# Altium PCB SimpleFOC.PcbDoc
Units mil, origin at the board's own origin, x right, y up, seen from the top; angles counter-clockwise.
Board outline 2090 x 2560 mil, 2 copper layers (Top Layer, Bottom Layer); 46 components, 38 nets, 196 pads, 272 vias.
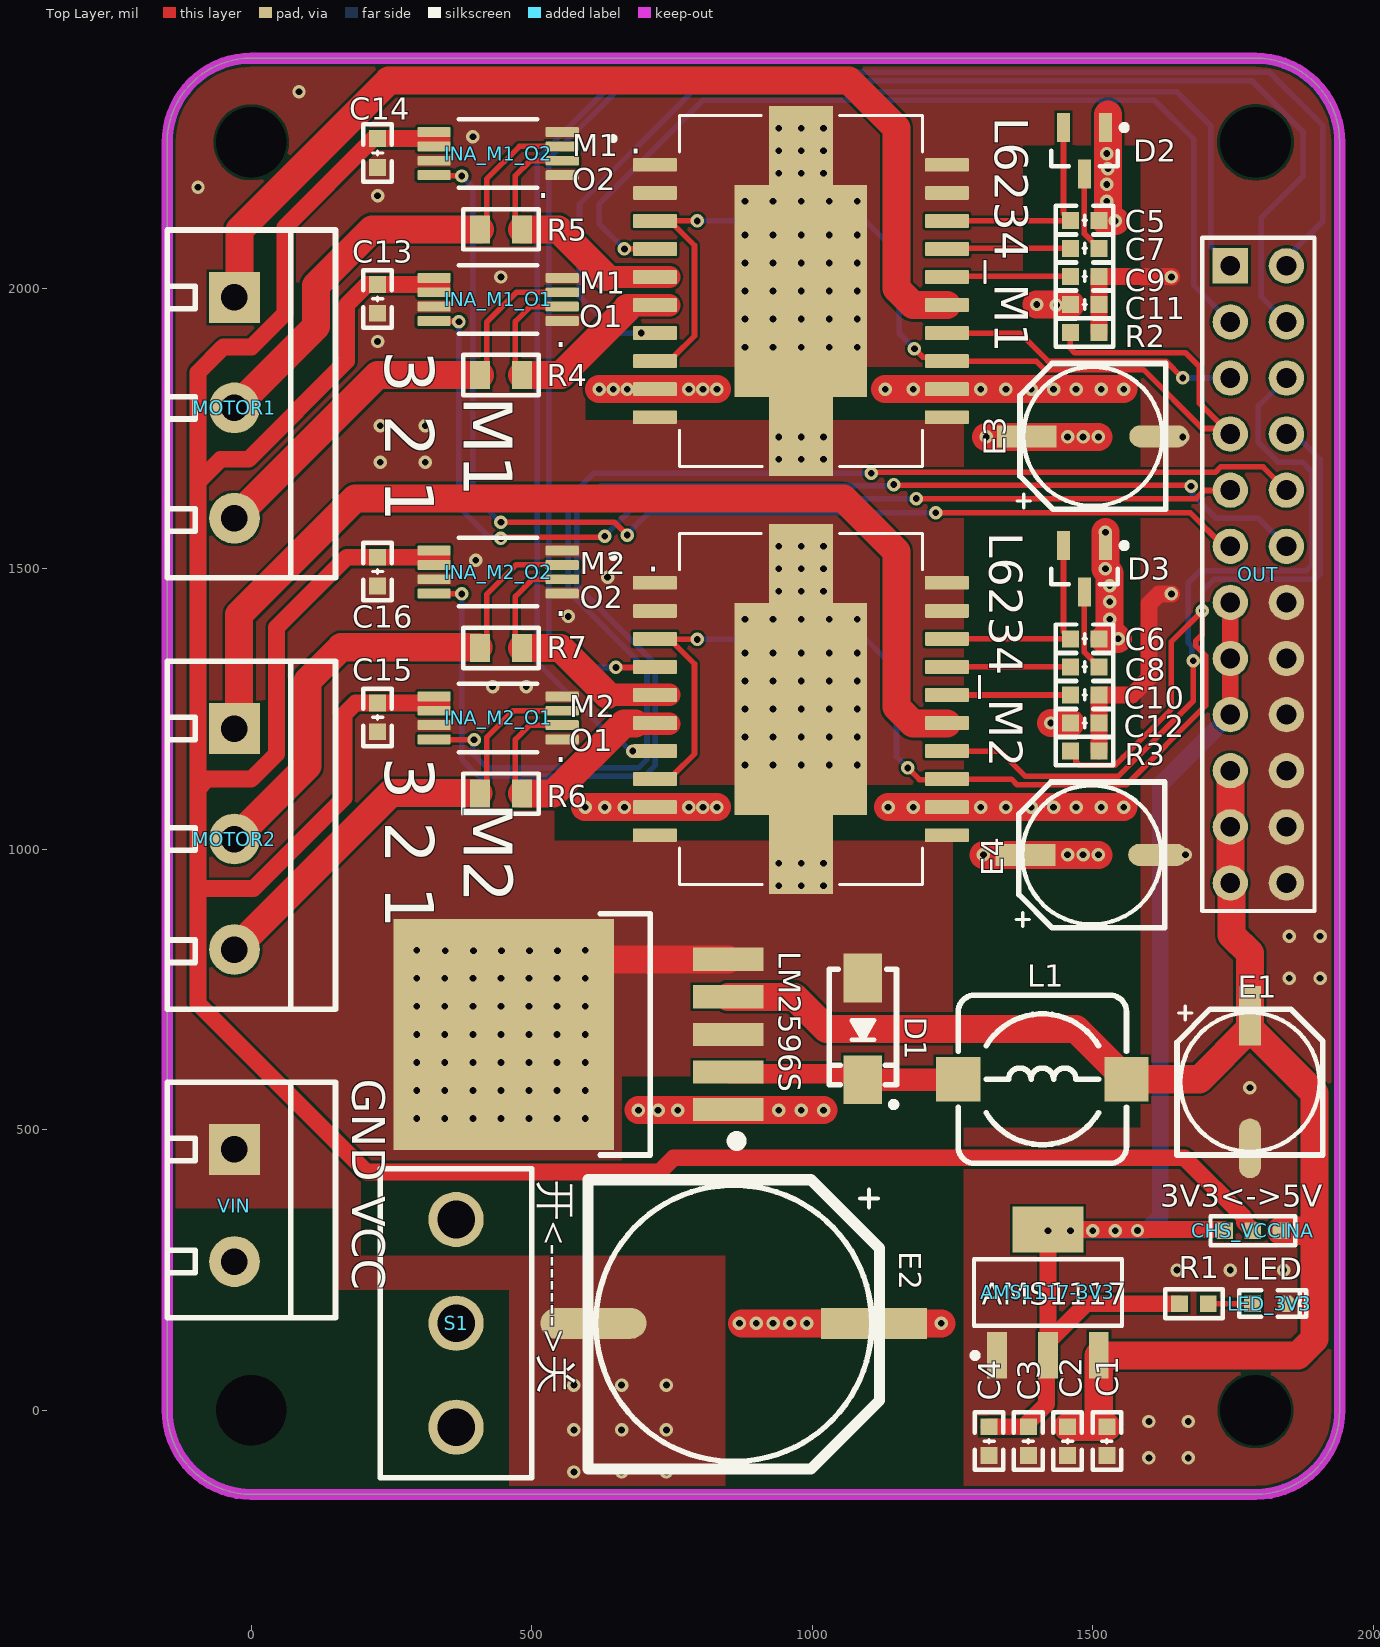
[diagram p0: Top Layer view]
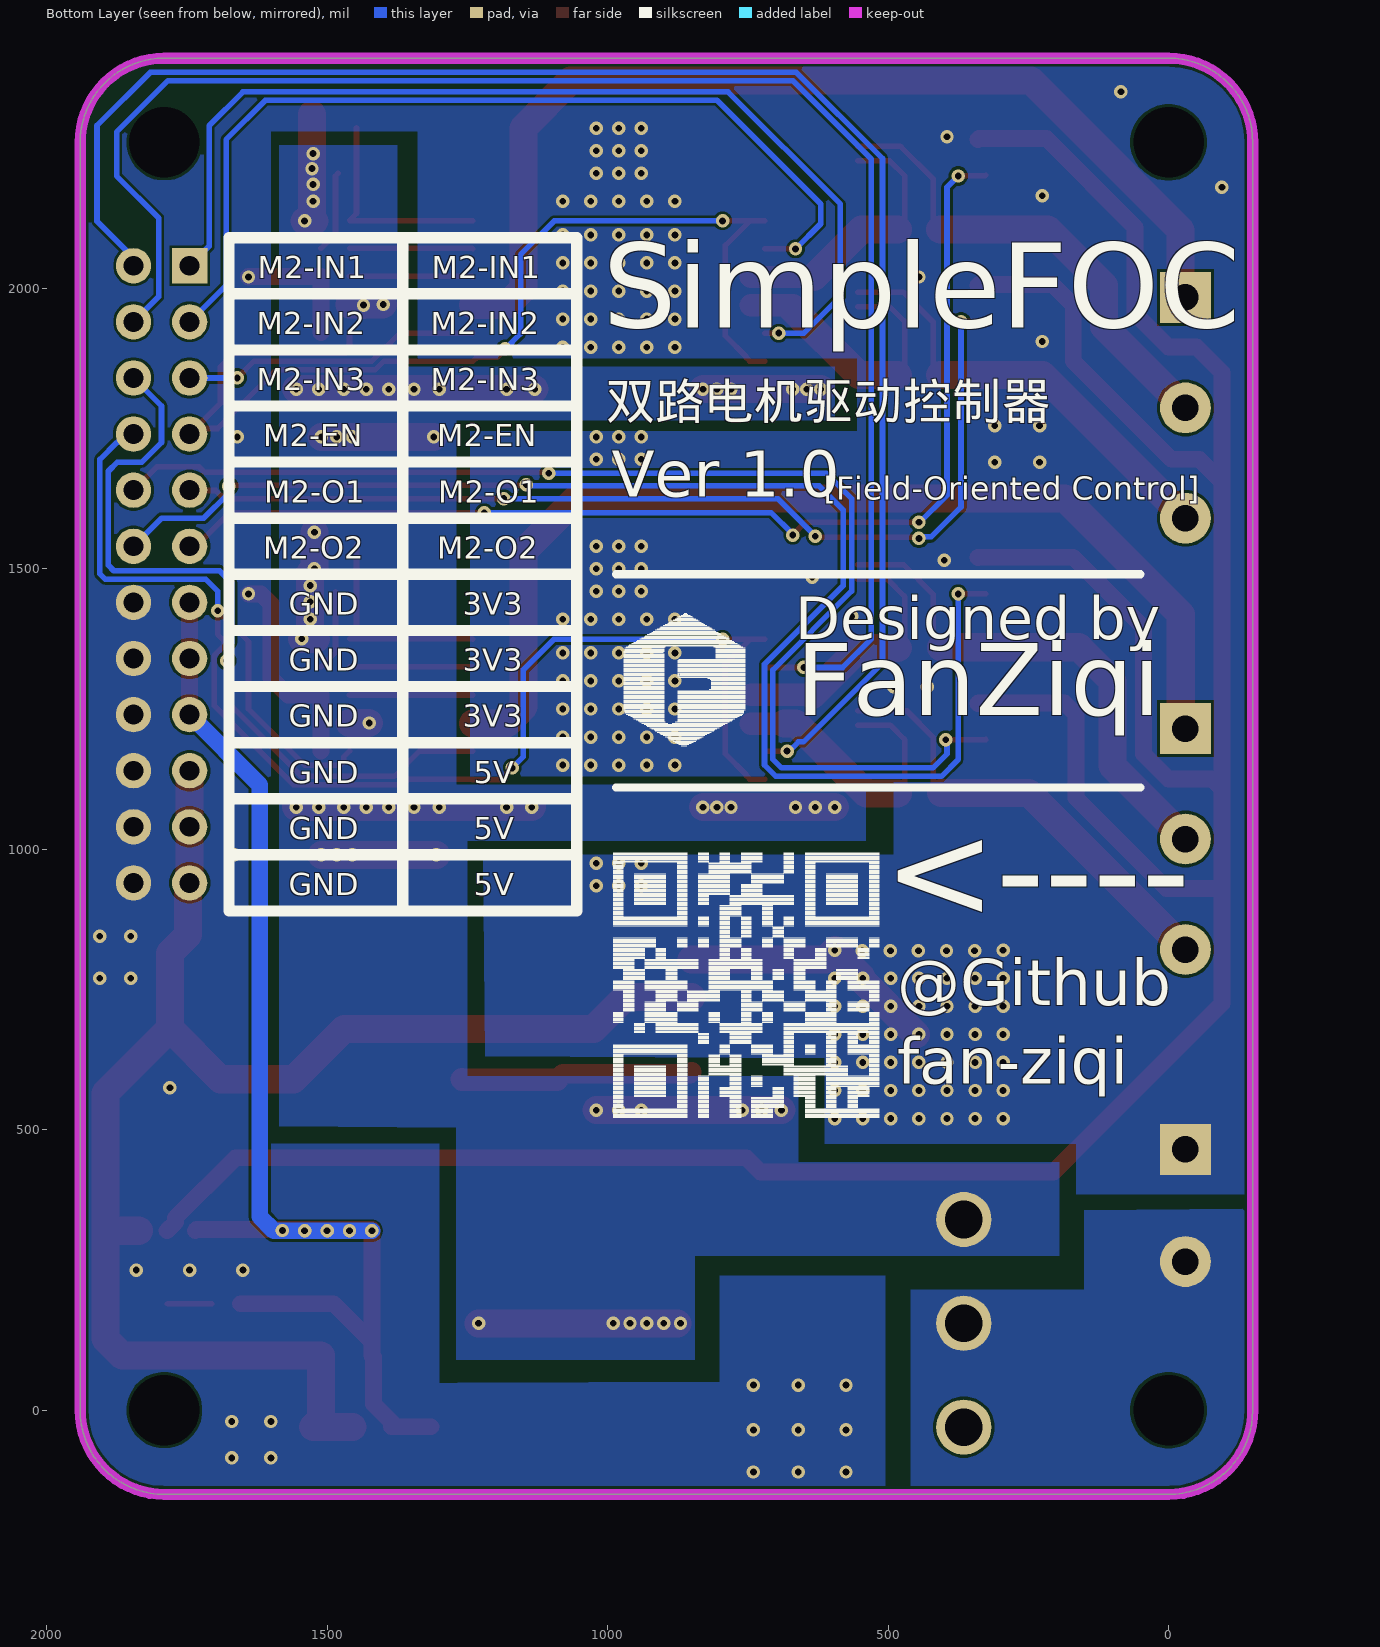
[diagram p1: Bottom Layer view, seen from below]

## Layer stack, top to bottom
Top Solder: solder mask 0.4, Solder Resist, Dk 3.5
Top Layer: signal copper 1.4
Dielectric 1: dielectric 12.6, FR-4, Dk 4.8
Bottom Layer: signal copper 1.4
Bottom Solder: solder mask 0.4, Solder Resist, Dk 3.5

## Board outline
-150,0 -150,2260 cw(c0,2260) 0,2410 1790,2410 cw(c1790,2260) 1940,2260 1940,0 cw(c1790,0) 1790,-150 0,-150 cw(c0,0)

## Design rules (kind name [scope] priority, off if disabled: settings)
Clearance [All] p1: gap=5 ignorepadtopadclearanceinfootprint=FALSE except(0: Arc-Text Track-Text SMDPad-Text THPad-Text Via-Text Fill-Text Poly-Text Region-Text Text-Text Text-Hole)
ComponentClearance [All] p1: gap=0 collisioncheckmode=3 verticalgap=0 showdistances=FALSE
DiffPairsRouting [InDifferentialPairClass('USB')] p1: maxlimit=7 minlimit=5 mostfreqgap=6 toplayer_minwidth=4 toplayer_maxwidth=9 toplayer_prefwidth=4 bottomlayer_minwidth=4 bottomlayer_maxwidth=9 bottomlayer_prefwidth=4 maxuncoupledlength=500
FanoutControl Fanout_BGA [All] p1: bgadir=Out bgaviamode=Centered fanoutstyle=Auto fanoutdirection=Alternating viagrid=1 // Fanout_BGA (Default Rule)
HoleSize [All] p1: absolutevalues=TRUE maxlimit=235 minlimit=8 maxpercent=80.000 minpercent=20.000
MatchedLengths DiffPair_MatchedLengths [InDifferentialPair ('USB')] p1: tolerance=1000 checknetsindiffpair=FALSE checkdiffpairvsdiffpair=TRUE checkxsignals=TRUE checkothers=TRUE
MinimumSolderMaskSliver [All] p1 off: minsoldermaskwidth=2
NetsToIgnore [InNet('GND')] p1:
PlaneClearance [All] p1: clearance=8
PlaneConnect [All] p1: planeconnectstyle=Direct reliefexpansion=20 reliefentries=4 reliefconductorwidth=10 reliefairgap=10
PolygonConnect [All] p1: connectstyle=Direct reliefconductorwidth=10 reliefentries=4 polygonreliefangle="90 Angle" airgapwidth=10
RoutingVias [All] p1: holewidth=10 width=16 viastyle="Through Hole" minholewidth=6 minwidth=12 maxholewidth=28 maxwidth=50
SMDNeckDown [All] p1: percent=10000.000
SilkToSilkClearance [All] p1: silktosilkclearance=0
SilkToSolderMaskClearance [IsPad] p1: minsilkscreentomaskgap=0 clearancetoexposedcopper=TRUE
SolderMaskExpansion [All] p1: expansion=3 istentingtop=FALSE
Width MOTOR [InNetClass('MOTOR')] p1: maxlimit=100 minlimit=10 preferedwidth=100
Width VCC5V [InNetClass('VCC5V')] p2: maxlimit=50 minlimit=50 preferedwidth=50
Width VCC3V3 [InNetClass('VCC3V3')] p3: maxlimit=30 minlimit=30 preferedwidth=30
Width VCC12V [InNetClass('VCC12V')] p4: maxlimit=100 minlimit=10 preferedwidth=30
Width [InNetClass('BuXian')] p5: maxlimit=50 minlimit=10 preferedwidth=10
Width GND [InNet('GND')] p6: maxlimit=100 minlimit=10 preferedwidth=30
21 further rules are at their usual default settings.

## Classes and differential pairs
net class MOTOR: M1_OUT1 M1_OUT1_P M1_OUT2 M1_OUT2_P M1_OUT3 M2_OUT1 M2_OUT1_P M2_OUT2 M2_OUT2_P M2_OUT3
net class VCC12V: NetS1_2 VCCIN
net class VCC5V: VCC5V
net class VCC3V3: VCC3V3 VCCINA
net class BuXian: M1_EN M1_IN1 M1_IN2 M1_IN3 M1_O1 M1_O2 M1_OUT1 M1_OUT1_P M1_OUT2 M1_OUT2_P M1_OUT3 M2_EN M2_IN1 M2_IN2 M2_IN3 M2_O1 M2_O2 M2_OUT1 M2_OUT1_P M2_OUT2 M2_OUT2_P M2_OUT3 NetC5_1 NetC6_1 NetC7_1 NetC7_2 NetC8_1 NetC8_2 NetC9_2 NetC10_2 NetD1_2 NetLED_3V3_1 NetS1_2

## Components (designator, comment, footprint, x,y, rotation, side; value= is the part's Value field where it differs from the comment)
AMS1117-3V3 "AMS1117-3V3" SOT223_L 1420,210 r90 top
C1 "22uf/50V" C0603_L 1525,-55 r90 top
C2 "0.1uf/50V" C0603_L 1455,-55 r90 top
C3 "0.1uf/50V" C0603_L 1385,-55 r90 top
C4 "22uf/50V" C0603_L 1315,-55 r90 top
C5 "220nf/50V" C0603_L 1485.47,2120.98 r0 top
C6 "220nf/50V" C0603_L 1485.47,1375 r0 top
C7 "10nf/50V" C0603_L 1485.47,2070.98 r0 top
C8 "10nf/50V" C0603_L 1485.47,1325 r0 top
C9 "1uf/50V" C0603_L 1485.47,2020.98 r180 top
C10 "1uf/50V" C0603_L 1485.47,1275 r180 top
C11 "100nf/50V" C0603_L 1485.47,1970.98 r180 top
C12 "100nf/50V" C0603_L 1485.47,1225 r180 top
C13 "0.1uf/50V" C0603_L 225,1980.98 r90 top
C14 "0.1uf/50V" C0603_L 225,2240.98 r90 top
C15 "0.1uf/50V" C0603_L 225,1235 r90 top
C16 "0.1uf/50V" C0603_L 225,1495 r90 top
CHS_VCCINA "跳线" 0603 1785,320 r180 top
D1 "SS54" SMA 1090,680 r270 top
D2 "BAT54C" SOT23-3N 1485,2245 r270 top
D3 "BAT54C" SOT23-3N 1485,1500 r270 top
E1 "220uf/16V" "CE D(6.3*7.7)" 1780,585 r90 top
E2 "680uf/35V" "CE G(12.5*13.5)" 860,155 r0 top
E3 "100uf/35V" "CE D(6.3*7.7)" 1500,1735.98 r180 top
E4 "100uf/35V" "CE D(6.3*7.7)" 1498.11,990 r180 top
INA_M1_O1 "INA240A2PWR" INA240A2PWR 440,1980 r180 top
INA_M1_O2 "INA240A2PWR" INA240A2PWR 440,2240 r180 top
INA_M2_O1 "INA240A2PWR" INA240A2PWR 440,1234.02 r180 top
INA_M2_O2 "INA240A2PWR" INA240A2PWR 440,1494.02 r180 top
L1 "33uH" CDRH74 1410,590 r0 top
L6234_M1 "L6234PD013TR" SOIC127P1420X360-21N 979.76,1995 r270 top
L6234_M2 "L6234PD013TR" SOIC127P1420X360-21N 979.76,1250 r270 top
LED_3V3 "红色" LED0603_R 1815,190 r0 top
LM2596S "LM2596S" TO263-5A 860,670 r90 top
MOTOR1 "HDR-1X3" KF301-5.0-3P -30,1786.85 r270 top
MOTOR2 "HDR-1X3" KF301-5.0-3P -30,1018.15 r270 top
OUT "Header 2X11" HDR2.54-LI-2x12P 1795,1490 r270 top
R1 "1K" R0603_L 1680,190 r0 top
R2 "4.7K" R0603_L 1485.48,1920.99 r0 top
R3 "4.7K" R0603_L 1485.48,1175 r0 top
R4 "0.01R" R0805_L 445,1845 r180 top
R5 "0.01R" R0805_L 445,2105 r180 top
R6 "0.01R" R0805_L 445,1099.02 r180 top
R7 "0.01R" R0805_L 445,1359.02 r180 top
S1 "SS-12F23" SS-12D10 365,155 r90 top
VIN "HDR-1X2" KF301-5.0-2P -30,265 r270 top

## Footprints (in the part's own frame and the unit in brackets; to place one, negate y for a bottom-side part, rotate by r counter-clockwise, add the part's x,y. Pads: shape width x height; smd on the part's side, far side on the other; paste and mask are expansions set on the pad)
0603 [mil] "0603测试点"
  rect 30x30 smd: 1(0,0) 2(-50,0) 3(50,0)
  silkscreen extent -76,-26 75,26
C0603_L [mil] "无极性贴片电容"
  rect 30x30 smd: 1(-25.59,0) 2(25.59,0)
  silkscreen extent -51,-26 51,26, body extent -31,-16 32,16, height 33
CDRH74 [mm] "7.3*7.3*4.5mm（长宽高）"
  rect 2x2 smd: 1(-3.81,0) 2(3.81,0)
  silkscreen extent -3.81,-3.81 3.81,3.81, body extent -3.65,-3.65 3.65,3.65, height 4.52
"CE D(6.3*7.7)" [mm] "贴片电解电容，直径6.3mm，高7.7mm"
  rect 2.7x1 smd: 1(3,0)
  oval 2.7x1 smd: 2(-3,0)
  silkscreen extent -3.3,-3.3 3.43,3.3, body extent -3.5,-3.3 3.5,3.3, height 7.75
"CE G(12.5*13.5)" [mm] "贴片电解电容，直径12.5mm，高13.5mm"
  rect 4.8x1.4 smd: 1(6.35,0)
  oval 4.8x1.4 smd: 2(-6.35,0)
  silkscreen extent -6.6,-6.6 6.6,6.5, body extent -7.15,-6.5 7.15,6.5, height 13.58
HDR2.54-LI-2x12P [mm] "双排排针，12x2脚"
  rect 1.6x1.6 hole 0.9: 1(-13.97,-1.27)
  round 1.6 hole 0.9: 2(-13.97,1.27) 3(-11.43,-1.27) 4(-11.43,1.27) 5(-8.89,-1.27) 6(-8.89,1.27) 7(-6.35,-1.27) 8(-6.35,1.27) 9(-3.81,-1.27) 10(-3.81,1.27) 11(-1.27,-1.27) 12(-1.27,1.27) 13(1.27,-1.27) 14(1.27,1.27) 15(3.81,-1.27) 16(3.81,1.27) 17(6.35,-1.27) 18(6.35,1.27) 19(8.89,-1.27) 20(8.89,1.27) 21(11.43,-1.27) 22(11.43,1.27) 23(13.97,-1.27) 24(13.97,1.27)
  silkscreen extent -15.24,-2.54 15.24,2.54, body extent -15.24,-2.54 15.24,2.54, height 8.5
INA240A2PWR [mm]
  rrect22% 1.5x0.45 smd paste+0 mask+0: 1(-2.9,0.975) 2(-2.9,0.325) 3(-2.9,-0.325) 4(-2.9,-0.975) 5(2.9,-0.975) 6(2.9,-0.325) 7(2.9,0.325) 8(2.9,0.975)
  silkscreen extent -1.78,-1.55 1.78,1.55, body extent -3.75,-1.8 3.75,1.8, height 0.25
KF301-5.0-2P [mm] "可拼接端子/6A"
  rect 2.3x2.3 hole 1.2: 1(-5.08,0)
  round 2.3 hole 1.2: 2(0,0)
  silkscreen extent -8.13,-3.05 2.54,4.57, body extent -7.95,-3 2.55,4.6, height 3.29
KF301-5.0-3P [mm] "可拼接端子/6A"
  rect 2.3x2.3 hole 1.2: 1(-5,0)
  round 2.3 hole 1.2: 2(0,0) 3(5,0)
  silkscreen extent -8.05,-3.05 7.7,4.57, body extent -7.95,-3 7.55,4.6, height 3.29
LED0603_R [mil] "红色0603LED"
  rect 30x30 smd: 1(-30.59,0)
  oct 30x30 smd: 2(30.59,0)
  silkscreen extent -54,-24 65,24, body extent -32,-16 31,16, height 24
R0603_L [mil] "1/10W贴片电阻"
  rect 30x30 smd: 1(-25.59,0) 2(25.59,0)
  silkscreen extent -51,-26 51,26, body extent -31,-16 32,16, height 16
R0805_L [mil] "1/8W贴片电阻"
  rect 35x50 smd: 1(-37.4,0) 2(37.4,0)
  silkscreen extent -67,-36 67,36, body extent -39,-25 39,25, height 20
SMA [mm] "4.5x2.6*2.2mm（长宽高，不包括引脚）"
  rect 2.2x1.75 smd: 1(-2.3,0) 2(2.3,0)
  silkscreen extent -2.7,-1.52 3.56,1.52, body extent -2.55,-1.3 2.55,1.3, height 2.15
SOIC127P1420X360-21N [mm]
  rrect16% 0.63x1.99 smd: 1(-5.715,-6.61) 2(-4.445,-6.61) 3(-3.175,-6.61) 4(-1.905,-6.61) 5(-0.635,-6.61) 6(0.635,-6.61) 7(1.905,-6.61) 8(3.175,-6.61) 9(4.445,-6.61) 10(5.715,-6.61) 11(5.715,6.61) 12(4.445,6.61) 13(3.175,6.61) 14(1.905,6.61) 15(0.635,6.61) 16(-0.635,6.61) 17(-1.905,6.61) 18(-3.175,6.61) 19(-4.445,6.61) 20(-5.715,6.61)
  rect 4x2.9 smd paste-3: 21(-6.375,0) 21(6.375,0)
  rect 9.6x6 smd paste-6: 21(0,0)
  silkscreen extent -7.95,-8.6 7.95,5.5, body extent -8.26,-7.73 7.8,8.27, height 3.5
SOT23-3N [mm] "SOT23, 3-Leads, Body 2.9x1.3mm, Pitch 0.95mm, Lead Span 2.4mm, IPC Medium Density"
  rect 1.3x0.6 smd: 1(-1.05,0.95) 2(-1.05,-0.95) 3(1.05,0)
  silkscreen extent -1.17,-1.5 0.7,1.93, body extent -1.2,-1.5 1.2,1.5, height 1.05
SOT223_L [mm] "SOT223, 4-Leads, Body 6.5x3.5mm, Pitch 2.3mm, Lead Span 7mm, IPC High Density"
  rect 2.1x0.9 smd: 1(-2.85,2.3) 2(-2.85,0) 3(-2.85,-2.3)
  rect 2.1x3.2 smd: 4(2.85,0)
  silkscreen extent -2.97,-3.35 1.5,3.42, body extent -1.85,-3.35 1.85,3.35, height 1.7
SS-12D10 [mm] "脚距3mm      淘宝ID:黄晶宝石"
  round 2.5 hole 1.7: 1(-4.7,0) 2(0,0) 3(4.7,0)
  silkscreen extent -7,-3.43 7,3.43, body extent -7,-3.1 7,3.1, height 9.65
TO263-5A [mm] "263，5脚晶体管"
  rect 1.05x3.2 smd: 1(-3.4,0.254) 2(-1.7,0.254) 3(0,0.254) 4(1.7,0.254) 5(3.4,0.254)
  rect 10.45x10 smd: 6(0,10.414)
  silkscreen extent -5.46,-0.33 5.46,6.04, body extent -5,0.24 5,13.57, height 4.5

## Part data
AMS1117-3V3: library part AMS1117, "三端稳压芯片", BOM名称=稳压芯片, 封装库来自淘宝卖家 ID：黄晶宝石=其他店铺购入均为盗版，请立即申请退款，本店现金奖励5~20元, 联系卖家 免费查找封装=唯一出售店铺网址https://shop463601444.taobao.com
C1 C2 C3 C4 C5 C6 C7 C8 C9 C10 C11 C12 C13 C14 C15 C16: library part C, "贴片电容", BOM名称=无极性贴片电容, 封装库来自淘宝卖家ID：黄晶宝石=其他店铺购入均为盗版假冒封装库，请立即申请退款, 联系卖家，免费查找封装=唯一出售店铺网址https://shop463601444.taobao.com
D1: library part SS14, "肖特基二极管(5A/40V)", BOM名称=肖特基二极管, 属性=40V/1A, 联系卖家，免费查找封装=唯一出售店铺网址https://shop463601444.taobao.com
D2 D3: library part LBAT54SLT1G, "两路肖特基二极管", 联系卖家，免费查找封装=唯一出售店铺网址https://shop463601444.taobao.com
E1 E2 E3 E4: library part CE_SMD, "贴片电解电容", BOM名称=贴片电解电容, 封装库来自淘宝卖家ID：黄晶宝石=其他店铺购入均为盗版假冒封装库，请立即申请退款, 联系卖家，免费查找封装=唯一出售店铺网址https://shop463601444.taobao.com
INA_M1_O1 INA_M1_O2 INA_M2_O1 INA_M2_O2: "IC AMP CURRENT SENSE 8-TSSOP", Ambient Temperature Range High=+125°C, Ambient Temperature Range Low=-40°C, Input Bias Current=90uA, Input Offset Voltage=0.005mV, Manufacturer="Texas Instruments", Max Junction Temp=+150°C, Max Supply Voltage=5.5V, Min Supply Voltage=2.7V, Nominal Supply Current=1.8mA, Package=PW0008A, Temperature="-40°C to +125°C", Voltage Gain=0.05V/mV, Automotive=No, Bandwidth=400kHz, Category=IC, ComponentLink2Description=Datasheet, ComponentLink2URL=http://www.ti.com/lit/ds/symlink/ina240.pdf, Device Class L1="Integrated Circuits (ICs)", Device Class L2="Linear ICs", Device Class L3=Instrumentation, Digikey Description="IC AMP CURRENT SENSE 8-TSSOP", Height=1.2mm, Ipc Land Pattern Name=SOP65P300X120-8, Lead Free=Yes, Manufacturer Part Number=INA240A2PWR, Number Of Channels=1, Octopart=https://octopart.com/ina240a2pwr-texas+instruments-75431049, RoHS=TRUE, Standoff Height=0.05mm, Temperature Range High=+125°C, Temperature Range Low=-40°C
L1: library part L-CDRH, "CDRH功率屏蔽电感", BOM名称=功率屏蔽电感, 封装库来自淘宝卖家ID：黄晶宝石=其他店铺购入均为盗版假冒封装库，请立即申请退款, 联系卖家，免费查找封装=唯一出售店铺网址https://shop463601444.taobao.com
L6234_M1 L6234_M2: "No Description Available", Built_By=EMA_UL_Team, Copyright="Copyright (C) 2021 Accelerated Designs. All rights reserved", Manufacturer_Part_Number=L6234PD013TR, RefDes=RefDes, SourceLibrary=Updates_to_database_2020-11-02, Type=DEV, Vendor=STMicroelectronics
LED_3V3: library part LED-SMD, "贴片LED", BOM名称=贴片LED, 封装库来自淘宝卖家 ID：黄晶宝石=其他店铺购入均为假冒，请立即申请退款，本店奖励现金5~20元
LM2596S: "3A DC-DC降压芯片", BOM名称=DC降压芯片, 封装库来自淘宝卖家 ID：黄晶宝石=其他店铺购入均为盗版，请立即申请退款，本店现金奖励5~20元, 联系卖家 免费查找封装=唯一出售店铺网址https://shop463601444.taobao.com
MOTOR1 MOTOR2: library part "Header 3", "3P接插件", BOM名称=3P接插件, 封装库来自淘宝卖家 ID：黄晶宝石=其他店铺购入均为盗版假冒封装库, 联系卖家，免费技术支持=唯一出售店铺网址https://shop463601444.taobao.com
OUT: library part "Header 12X2", "12*2P接插件", BOM名称=12*2P接插件, 封装库来自淘宝卖家 ID：黄晶宝石=其他店铺购入均为盗版假冒封装库, 联系卖家，免费查找封装=唯一出售店铺网址https://shop463601444.taobao.com
R1 R2 R3 R4 R5 R6 R7: library part R, "贴片电阻", BOM名称=贴片电阻, 封装库来自淘宝卖家ID：黄晶宝石=其他店铺购入均为盗版假冒封装库，请立即申请退款, 联系卖家，免费查找封装=唯一出售店铺网址https://shop463601444.taobao.com
S1: library part SSW-1P, "1路波动开关", BOM名称=波动开关, 联系卖家，免费查找封装=唯一出售店铺网址https://shop463601444.taobao.com
VIN: library part "Header 2", "2P接插件", BOM名称=2P接插件, 封装库来自淘宝卖家 ID：黄晶宝石=其他店铺购入均为盗版假冒封装库, 联系卖家，免费技术支持=唯一出售店铺网址https://shop463601444.taobao.com

## Free pads (board coordinates)
  round 0 hole 125.98: 5(0,0) 5(0,2260) 5(1790,0) 5(1790,2260)

## Via types
v1: diameter 24, hole 12, Top Layer to Bottom Layer, tented both sides, 272 vias

## Nets (pads, with @x,y where several pads share a name; then routed paths per layer and width w, separated by ;. In a path a pad name is that pad's centre, name@x,y a point inside that pad or via, vN(x,y) a via of type N, cw(c..) or ccw(c..) an arc to the next point about the centre after c; other vN are vias at no path point)
GND: AMS1117-3V3.1 C1.1 C2.1 C3.1 C4.1 C9.1 C10.1 C11.1 C12.1 C13.1 C14.1 C15.1 C16.1 D1.1 E1.2 E2.2 E3.2 E4.2 INA_M1_O1.1 INA_M1_O1.4 INA_M1_O1.7 INA_M1_O2.1 INA_M1_O2.4 INA_M1_O2.7 INA_M2_O1.1 INA_M2_O1.4 INA_M2_O1.7 INA_M2_O2.1 INA_M2_O2.4 INA_M2_O2.7 L6234_M1.1 L6234_M1.2 L6234_M1.10 L6234_M1.11 L6234_M1.19 L6234_M1.20 L6234_M1.21 L6234_M2.1 L6234_M2.2 L6234_M2.10 L6234_M2.11 L6234_M2.19 L6234_M2.20 L6234_M2.21 LED_3V3.2 LM2596S.3 LM2596S.5 LM2596S.6 OUT.14 OUT.16 OUT.18 OUT.20 OUT.22 OUT.24 R2.2 R3.2 VIN.1 | length 1082.7
  Top Layer w30: R3.2 C12.1 C10.1 1569.85,1275 1600,1305.15 1600,1437.43 1617.57,1455 v1(1640,1455) ; R2.2 C11.1 C9.1 1640,2020.99 v1(1640,2020)
  Top Layer w50: LM2596S.6 547.5,767.5 547.5,772.5 v1(595,820) 611.14,803.86 LM2596S.5
  other v1: 575,-110 660,-110 740,-110 1600,-85 1670,-85 575,-35 660,-35 740,-35 1600,-20 1670,-20 575,45 660,45 740,45 1650,250 1745,250 1840,250 295,520 345,520 395,520 445,520 495,520 545,520 595,520 295,570 345,570 395,570 445,570 495,570 545,570 595,570 1780,575 295,620 345,620 395,620 445,620 495,620 545,620 595,620 295,670 345,670 395,670 445,670 495,670 545,670 595,670 295,720 345,720 395,720 445,720 495,720 545,720 595,720 295,770 345,770 395,770 445,770 495,770 545,770 595,770 1850,770 1905,770 345.89,819.27 395.89,819.27 445.89,819.27 495.89,819.27 545.89,819.27 295,820 1850,845 1905,845 940,935 980,935 1020,935 940,975 980,975 1020,975 1665,990 880,1150 930,1150 980,1150 1030,1150 1080,1150 880,1200 930,1200 980,1200 1030,1200 1080,1200 880,1250 930,1250 980,1250 1030,1250 1080,1250 430,1290 490,1290 880,1300 930,1300 980,1300 1030,1300 1080,1300 880,1350 930,1350 980,1350 1030,1350 1080,1350 880,1410 930,1410 980,1410 1030,1410 1080,1410 565,1415 940,1460 980,1460 1020,1460 635,1485 940,1500 980,1500 1020,1500 400,1515 940,1540 980,1540 1020,1540 230,1690 310,1690 940,1695 980,1695 1020,1695 940,1735 980,1735 1020,1735 1660,1735 230,1755 310,1755 880,1895 930,1895 980,1895 1030,1895 1080,1895 225,1905 880,1945 930,1945 980,1945 1030,1945 1080,1945 880,1995 930,1995 980,1995 1030,1995 1080,1995 445,2020 880,2045 930,2045 980,2045 1030,2045 1080,2045 880,2095 930,2095 980,2095 1030,2095 1080,2095 880,2155 930,2155 980,2155 1030,2155 1080,2155 225,2165 -95,2180 940,2205 980,2205 1020,2205 940,2245 980,2245 1020,2245 395,2270 940,2285 980,2285 1020,2285 85,2350
M1_EN: L6234_M1.3 L6234_M1.8 L6234_M1.13 OUT.7 R2.1 | length 1979
  Top Layer w10: L6234_M1.8 746.3,1870 753.7,1877.4 753.7,1878.7 790,1915 790,2076.3 L6234_M1.3@746.3,2120 ; L6234_M1.3 L6234_M1.3@746.3,2120 ; v1(795,2120) L6234_M1.3@746.3,2120 ; v1(1182.03,1892.03) 1197.1,1876.96 1233.04,1876.96 L6234_M1.13 1398.79,1870 1413.79,1855 1590,1855 1695,1750 OUT.7@1735,1750 ; R2.1 1459.89,1892.71 1467.59,1885 1665,1885 1690,1860 1690,1795 OUT.7@1735,1750 ; OUT.7 OUT.7@1735,1750
  Bottom Layer w10: v1(795,2120) 1095,2120 1155,2060 1155,1919.06 v1(1182.03,1892.03)
M1_IN1: L6234_M1.7 OUT.1 | length 1823.6
  Top Layer w10: v1(695,1920) L6234_M1.7
  Bottom Layer w10: v1(695,1920) 650,1920 585,1985 585,2150 785,2350 1650,2350 1710,2290 1710,2075 OUT.1
M1_IN2: L6234_M1.4 OUT.3 | length 1670.7
  Top Layer w10: v1(665,2070) L6234_M1.4
  Bottom Layer w10: v1(665,2070) 620,2115 620,2150 805,2335 1610,2335 1680,2265 1680,2005 OUT.3
M1_IN3: L6234_M1.14 OUT.5 | length 538.1
  Top Layer w10: L6234_M1.14 1370,1920 1420,1870 1630,1870 v1(1660,1840)
  Bottom Layer w10: v1(1660,1840) OUT.5
M1_O1: INA_M1_O1.8 OUT.9 | length 1808.1
  Top Layer w10: INA_M1_O1.8 326.63,1940.81 369.19,1940.81 v1(370,1940) ; v1(445,1554) 447,1556 627.77,1556 v1(629.77,1558) ; v1(1185,1624.98) 1684.11,1624.98 1698.5,1639.37 1744.37,1639.37 OUT.9
  Bottom Layer w10: v1@370,1939.47 370,1610 423.32,1556.68 442.32,1556.68 v1(445,1554) ; v1(629.77,1558) 696.75,1624.98 v1(1185,1624.98)
M1_O2: INA_M1_O2.8 OUT.11 | length 2048.9
  Top Layer w10: INA_M1_O2.8 326.63,2200.81 374.19,2200.81 v1(375,2200) ; v1(445,1583) 647,1583 v1(670,1560) ; v1(1220,1600) 1673.38,1600 1733.38,1540 OUT.11
  Bottom Layer w10: v1(375,2200) 395,2180 395,1631 443,1583 v1(445,1583) ; v1(670,1560) 670,1561.62 708.38,1600 v1(1220,1600)
M1_OUT1: INA_M1_O1.3 MOTOR1.3 R4.2 | length 794.5
  Top Layer w10: R4.2@419.41,1845 419.41,1939.41 472.8,1992.8 INA_M1_O1.3
  Top Layer w50: MOTOR1.3 225,1845 R4.2
M1_OUT1_P: INA_M1_O1.2 L6234_M1.6 R4.1 | length 505.6
  Top Layer w10: R4.1@470.59,1845 470.59,1940.59 497.2,1967.2 INA_M1_O1.2
  Top Layer w40: 670,1965 675,1970 L6234_M1.6@745,1970
  Top Layer w50: R4.1 551.69,1845 670,1963.31 670,1965
M1_OUT2: INA_M1_O2.3 MOTOR1.2 R5.2 | length 860.6
  Top Layer w10: R5.2@419.41,2105 419.41,2194.41 477.8,2252.8 INA_M1_O2.3
  Top Layer w50: MOTOR1.2 115,1931.85 115,2005 215,2105 R5.2
M1_OUT2_P: INA_M1_O2.2 L6234_M1.5 R5.1 | length 488
  Top Layer w10: R5.1@470.59,2105 470.59,2200.59 497.2,2227.2 INA_M1_O2.2
  Top Layer w40: 632.23,2020 L6234_M1.5@745,2020
  Top Layer w50: R5.1 547.23,2105 632.23,2020
M1_OUT3: L6234_M1.15 MOTOR1.1 | length 1828.7
  Top Layer w50: MOTOR1.1 -21.02,1992.68 -21.02,2103.98 245,2370 1065.71,2370 1150,2285.71 1150,1999.29 1179.29,1970 L6234_M1.15
M2_EN: L6234_M2.3 L6234_M2.8 L6234_M2.13 OUT.8 R3.1 | length 2707.3
  Top Layer w10: L6234_M2.8 746.3,1125 753.7,1132.4 753.7,1133.7 790,1170 790,1330.32 L6234_M2.3@746.3,1374.02 ; L6234_M2.3@719.53,1374.02 L6234_M2.3@746.3,1374.02 ; v1(795,1374.02) L6234_M2.3@746.3,1374.02 ; v1(1170,1145) 1190.98,1124.02 L6234_M2.13@1240,1124.02 ; L6234_M2.13 1355,1125 1365,1115 1560,1115 1701.04,1256.04 1701.04,1345.07 1683.18,1362.93 1683.18,1371.21 1695,1383.03 v1(1695,1425) 1640,1370 1640,1250 1554.58,1164.58 1540,1150 1530.21,1150 1475.75,1150 1469.89,1155.86 1469.89,1165 R3.1
  Bottom Layer w10: v1(795,1374.02) 1095.98,1374.02 1150,1320 1150,1165 v1(1170,1145) ; v1(1695,1425) 1695,1460 1716.5,1481.5 1895.64,1481.5 1905,1490.86 1905,1695 1875.38,1724.62 1874.72,1724.62 1859.34,1740 OUT.8
M2_IN1: L6234_M2.7 OUT.2 | length 2953.6
  Top Layer w10: v1(680,1175) L6234_M2.7
  Bottom Layer w10: v1(680,1175) 676.21,1175 659.94,1191.28 651.02,1191.28 510,1332.3 510,2231.21 663.79,2385 1815,2385 1910,2290 1910,2119.34 1845,2054.34 OUT.2
M2_IN2: L6234_M2.4 OUT.4 | length 2895
  Top Layer w10: v1(650,1324.02) 718.54,1324.02 L6234_M2.4
  Bottom Layer w10: v1(650,1324.02) 580.98,1324.02 530,1375 530,2230 670,2370 1783.23,2370 1875,2278.23 1875,2200 1800,2125 1800,1985 OUT.4
M2_IN3: L6234_M2.14 OUT.6 | length 1380.2
  Top Layer w10: L6234_M2.14 1335,1175 1380,1130 1545,1130 1679.04,1264.04 v1(1679.04,1335.96)
  Bottom Layer w10: v1(1679.04,1335.96) 1676.36,1338.64 1676.36,1361.6 1670,1367.96 1670,1475 1691.5,1496.5 1880.18,1496.5 1890,1506.32 1890,1673.68 1873.68,1690 1830,1690 1795,1725 1795,1790 OUT.6
M2_O1: INA_M2_O1.8 OUT.10 | length 2267.6
  Top Layer w10: INA_M2_O1.8 326.14,1195.31 396.69,1195.31 v1(397,1195) ; v1(1105,1670) 1107,1672 1718.32,1672 1727.81,1681.5 1803.5,1681.5 OUT.10
  Bottom Layer w10: v1(397,1195) 395,1193 395,1170 420,1145 690,1145 705.22,1160.22 705.22,1319.78 565,1460 565,1625 610,1670 v1(1105,1670)
M2_O2: INA_M2_O2.8 OUT.12 | length 2559.5
  Top Layer w10: INA_M2_O2.8 326.14,1455.31 374.69,1455.31 v1(375,1455) ; v1(1145,1650) 1146.51,1648.49 1673.49,1648.49 v1(1675,1646.98)
  Bottom Layer w10: v1(375,1455) 375,1160 405,1130 700,1130 720.22,1150.22 720.22,1329.78 580,1470 580,1605 623,1648 1143,1648 v1(1145,1650) ; v1(1675,1646.98) 1677.68,1644.3 1677.68,1632.32 1720,1590 1795,1590 OUT.12
M2_OUT1: INA_M2_O1.3 MOTOR2.3 R6.2 | length 805.5
  Top Layer w10: R6.2@419.41,1099.02 419.41,1199.41 466.81,1246.81 INA_M2_O1.3
  Top Layer w50: MOTOR2.3 248.7,1100 R6.2@405.23,1100
M2_OUT1_P: INA_M2_O1.2 L6234_M2.6 R6.1 | length 505.1
  Top Layer w10: R6.1@470.59,1099.02 470.59,1195.59 496.22,1221.22 INA_M2_O1.2
  Top Layer w40: L6234_M2.6@685,1224.02 L6234_M2.6@745,1224.02
  Top Layer w50: R6.1 539.02,1099.02 664.02,1224.02 L6234_M2.6@685,1224.02
M2_OUT2: INA_M2_O2.3 MOTOR2.2 R7.2 | length 917.6
  Top Layer w10: R7.2@419.41,1359.02 419.41,1454.41 471.81,1506.81 INA_M2_O2.3
  Top Layer w50: MOTOR2.2 100,1148.15 100,1300 160,1360 R7.2@405.23,1360
M2_OUT2_P: INA_M2_O2.2 L6234_M2.5 R7.1 | length 485.2
  Top Layer w10: R7.1@470.59,1359.02 470.59,1450.59 501.22,1481.22 INA_M2_O2.2
  Top Layer w40: 635,1275 L6234_M2.5 L6234_M2.5@745,1275
  Top Layer w50: R7.1 550.98,1359.02 635,1275
M2_OUT3: L6234_M2.15 MOTOR2.1 | length 1882.6
  Top Layer w50: MOTOR2.1 -21.69,1223.31 -21.69,1418.31 185,1625 1055.71,1625 1150,1530.71 1150,1253.31 1179.29,1224.02 L6234_M2.15@1240,1224.02
NetC5_1: C5.1 D2.2 L6234_M1.18 | length 390.7
  Top Layer w10: L6234_M1.18 1458.9,2120 C5.1 1447.6,2133.26 D2.2
NetC6_1: C6.1 D3.2 L6234_M2.18 | length 391.7
  Top Layer w10: L6234_M2.18@1240,1374.02 1240.98,1375 C6.1 1447.6,1387.28 D3.2
NetC7_1: C7.1 L6234_M1.17 | length 220.3
  Top Layer w10: L6234_M1.17 1240.98,2070.98 C7.1
NetC7_2: C7.2 D2.3 | length 146.3
  Top Layer w10: D2.3@1480.47,2204.65 1484.88,2200.24 1484.88,2097.16 C7.2
NetC8_1: C8.1 L6234_M2.17 | length 219.9
  Top Layer w10: L6234_M2.17 C8.1
NetC8_2: C8.2 D3.3 | length 144.5
  Top Layer w10: D3.3 1485,1351.06 C8.2
NetC9_2: C9.2 L6234_M1.16 | length 220.3
  Top Layer w10: L6234_M1.16 1240.99,2020.99 C9.2
NetC10_2: C10.2 L6234_M2.16 | length 219.9
  Top Layer w10: L6234_M2.16 C10.2
NetD1_2: D1.2 L1.1 LM2596S.2 | length 415.9
  Top Layer w35: LM2596S.2 853.17,599.9 1079.55,599.9 D1.2
  Top Layer w40: D1.2 1259.45,589.45 L1.1
NetLED_3V3_1: LED_3V3.1 R1.2 | length 78.8
  Top Layer w10: R1.2 LED_3V3.1
NetS1_2: S1.2 VIN.2
VCC3V3: AMS1117-3V3.2 AMS1117-3V3.4 C3.2 C4.2 CHS_VCCINA.3 OUT.13 OUT.15 OUT.17 R1.1 | length 2372
  Top Layer w30: C4.2 C3.2 1385,-20.82 1417.28,11.46 1417.28,95.08 AMS1117-3V3.2 AMS1117-3V3.2@1420,121.42 ; R1.1 1488.58,190 AMS1117-3V3.2@1420,121.42 ; CHS_VCCINA.3 1732.8,322.2 AMS1117-3V3.4 v1(1420,320) AMS1117-3V3.2@1420,121.42 ; OUT.17 OUT.15 OUT.13
  Bottom Layer w30: v1(1420,320) 1440,320 v1(1460,320) 1480,320 v1(1500,320) 1520,320 v1(1540,320) 1560,320 1579.57,320 1595,320 1620,345 1620,1115 OUT.17
  other v1: 1579.57,320.43
VCC5V: AMS1117-3V3.3 C1.2 C2.2 CHS_VCCINA.2 E1.1 L1.2 LM2596S.4 OUT.19 OUT.21 OUT.23 | length 2765.1
  Top Layer w50: LM2596S.4 968.07,736.93 1025,680 1470,680 L1.2 1689.72,590 E1.1@1780,680.28 ; C2.2 C1.2 1510.55,-14.96 AMS1117-3V3.3 1865.71,97.8 1895,127.08 1895,325 ; OUT.19 OUT.21 OUT.23 1747.49,937.51 1747.49,847.51 1780,815 E1.1 E1.1@1780,680.28 ; CHS_VCCINA.2 1890,320 1895,325 ; E1.1@1780,680.28 1895,565.28 1895,325
VCCIN: C5.2 C6.2 C11.2 C12.2 D2.1 D3.1 E2.1 E3.1 E4.1 L6234_M1.9 L6234_M1.12 L6234_M2.9 L6234_M2.12 LM2596S.1 S1.3 | length 2897.2
  Top Layer w50: v1(595,1075) v1(630,1075) ; v1(620,1820) v1(645,1820) v1(670,1820) L6234_M1.9 v1(780,1820) v1(805,1820) v1(830,1820) ; v1@635,1075 v1@660,1075 ; v1(665,1075) L6234_M2.9 v1(780,1075) v1(805,1075) v1(830,1075) ; v1(690,535) v1(725,535) v1(760,535) v1(940,535) v1(980,535) v1(1020,535) ; v1@875,155 v1(900,155) v1(930,155) v1(960,155) v1(990,155) E2.1 v1(1230,155) ; v1(1130,1820) v1(1180,1820) L6234_M1.12 v1(1300,1820) v1(1345,1820) v1(1390,1820) v1(1430,1820) v1(1470,1820) v1(1515,1820) v1(1555,1820) ; v1(1135,1075) v1(1180,1075) L6234_M2.12 v1(1300,1075) v1(1345,1075) v1(1390,1075) v1(1430,1075) v1(1470,1075) v1(1515,1075) v1(1555,1075) ; v1(1305,990) E4.1 v1(1455,990) v1(1482.5,990) v1(1510,990) ; v1(1310,1735) v1(1455,1735) v1(1482.5,1735) v1(1510,1735) ; v1(1400,1970.99) 1434.01,1970.99 v1(1435,1970) 1435.99,1970.99 C11.2 ; v1(1425,1225) C12.2 ; C6.2@1520,1375 v1(1545,1375) 1530,1390 1530,1492.4 v1(1522.4,1500) D3.1 v1(1522.4,1565) ; C5.2@1522.77,2120 1526.81,2120 ; D2.1@1526.81,2310 1526.81,2120 ; v1(1540,2120) 1526.81,2120
  other v1: 870,155 1530,1410 1530,1441.2 1530,1470 1525,2155 1525,2185 1526.81,2213.19 1525,2240
VCCINA: C13.2 C14.2 C15.2 C16.2 CHS_VCCINA.1 INA_M1_O1.5 INA_M1_O1.6 INA_M1_O2.5 INA_M1_O2.6 INA_M2_O1.5 INA_M2_O1.6 INA_M2_O2.5 INA_M2_O2.6 | length 5935.2
  Top Layer w30: 340,1260 339.41,1260.59 325.83,1260.59 C15.2 185.59,1260.59 165,1240 165,1091.12 3.88,930 -95.28,930 ; 340,1520 339.41,1520.59 325.83,1520.59 C16.2 170.59,1520.59 45,1395 45,1170 0,1125 -77.7,1125 -95.28,1107.43 ; 340,2005 338.43,2006.57 325.83,2006.57 C13.2 206.57,2006.57 170,1970 170,1870 -5,1695 -55,1695 -95.28,1654.72 ; 340,2265 338.43,2266.57 325.83,2266.57 C14.2 217.9,2266.57 60,2108.67 60,1954.87 0.13,1895 -50,1895 -95.28,1849.72 -95.28,1654.72 ; CHS_VCCINA.1 1770,335 1770,343.28 1663.28,450 752.5,450 727.5,425 205,425 -95.28,725.28 -95.28,930 ; -95.28,930 -95.28,1107.43 ; -95.28,1107.43 -95.28,1654.72
pads on no net: S1.1

## Polygon pours and split planes (outlines as drawn)
GND on Bottom Layer "GND_L02_P005" (solid, remove dead copper, pour order 5): 2050,2515 2050,2280 1338.58,2280 1338.58,1875 555,1875 555,1745 1245,1745 1245,1130 490,1130 490,990 1221.45,990 1217.62,631.35 612.71,627.84 612.71,475 165,475 165,385 -250,385 -250,2515
VCCIN on Bottom Layer "VCCIN_L02_P001" (solid, remove dead copper, pour order 1): 1585,2255 1585,506 1270,503.48 1270,90 845,90 845,275 195,275 195,442.04 660,442.04 660,595 1250,595 1250,1015 540,1015 540,1098.75 540,1115 1270,1115 1270,1765 595,1765 595,1860 1375,1860 1375,2255
GND on Bottom Layer "GND_L02_P006" (solid, remove dead copper, pour order 6): 1600,2518.96 1600,475 1300,475 1300,-235 2005,-235 2005,2525
GND on Bottom Layer "GND_L02_P007" (solid, remove dead copper, pour order 7): 505,240 800,240 800,50.91 2011.16,46.24 2008.74,-280 800,-280 505,-280
NetS1_2 on Bottom Layer "NETS1_2_L02_P004" (solid, remove dead copper, pour order 4): 150,214.67 460,214.67 460,-300 -290,-300 -290,360 150,356.67
GND on Top Layer "GND_L01_P008" (solid, remove dead copper, pour order 8): -265,2550 -265,-270 2165,-270 2165,2550

## Keep-outs
Keep-Out Layer:
  the board outline again, w20

## Other copper
Top Layer:
  pour cut-out: 150,360 150,215 460,215 460,-320 -305,-320 -305,360
  pour cut-out: 1270,-235 845,-235 845,275 195,275 195,442.04 660,442.04 660,595 1250,595 1250,1015 540,1015 540,1115 1270,1115 1270,1765 595,1765 595,1860 1375,1860 1375,2255 1585,2255 1585,503.48 1270,503.48

## Silkscreen, mask and mechanical layers (free items; w line width, h text height)
Top Overlay:
  text "." at 674.51,2240 h50
  text "M1 / O2" at 572.02,2175 h40
  text "." at 509.51,2160 h50
  text "M1 / O1" at 584.51,1930 h40
  text "." at 540.83,1895 h50
  text "3 2 1" at 210,1889.67 h150 r270
  text "M1" at 350,1807.76 h150 r270
  text "." at 705.83,1495 h50
  text "M2 / O2" at 585.35,1430 h40
  text "." at 540.83,1415 h50
  text "M2 / O1" at 567.02,1175 h40
  text "3 2 1" at 210,1164.67 h150 r270
  text "." at 540.83,1155 h50
  text "M2" at 350,1083.88 h150 r270
  text "GND VCC" at 160,590.93 h100 r270
  text "开<------->关" at 500,410.44 h90 r270
  text "3V3<->5V" at 1620.05,363 h40
  text "LED" at 1766.68,233 h40
  text "AMS1117" at 1301.71,188 h40
Bottom Overlay:
  drawing of 1787 lines, arcs and shapes, not listed
  text "M2-IN1" at 1313.3,2018 h40
  text "M2-IN1" at 1623.3,2018 h40
  text "M2-IN2" at 1314.96,1918 h40
  text "M2-IN2" at 1624.96,1918 h40
  text "SimpleFOC" at 1008.32,1880 h260
  text "M2-IN3" at 1314.96,1818 h40
  text "M2-IN3" at 1624.96,1818 h40
  text "双路电机驱动控制器" at 1002.79,1745.87 h110
  text "M2-EN" at 1303.3,1718 h40
  text "M2-EN" at 1613.3,1718 h40
  text "M2-O1" at 1301.64,1618 h40
  text "M2-O1" at 1611.64,1618 h40
  text "[Field-Oriented Control]" at 615,1610 h70
  text "Ver 1.0" at 992.38,1601.26 h140
  text "M2-O2" at 1303.3,1518 h40
  text "M2-O2" at 1613.3,1518 h40
  text "3V3" at 1258.32,1418 h40
  text "GND" at 1568.32,1418 h40
  text "Designed by" at 665.32,1348.94 h130
  text "3V3" at 1258.32,1318 h40
  text "GND" at 1568.32,1318 h40
  text "3V3" at 1258.32,1218 h40
  text "GND" at 1568.32,1218 h40
  text "FanZiqi" at 664.06,1196.91 h220
  text "5V" at 1238.32,1118 h40
  text "GND" at 1568.32,1118 h40
  text "5V" at 1238.32,1018 h40
  text "GND" at 1568.32,1018 h40
  text "5V" at 1238.32,918 h40
  text "GND" at 1568.32,918 h40
  text "<----" at 507.71,820 h300
  text "@Github / fan-ziqi" at 483.88,555 h140
Mechanical 1:
  the board outline again, w20